# KiCad board RP2040_Fullsize.kicad_pcb (continued)
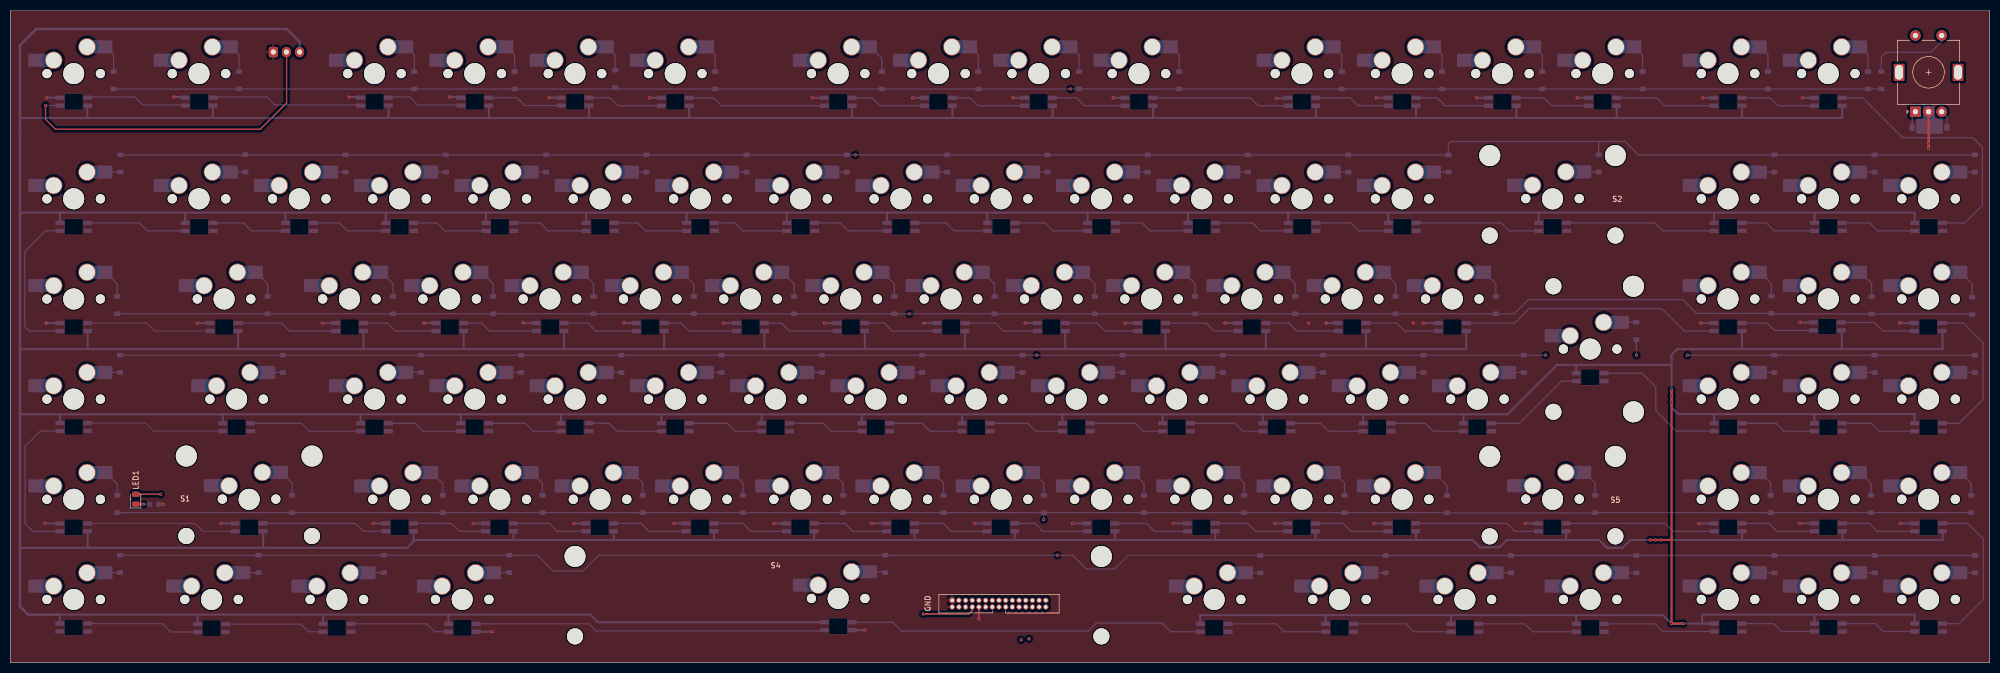
[diagram p0: board, top side]
## Nets
GND: C21.2 C22.2 J1.1 J1.2 J1.10 J2.1 R11.2 RGB1.3 RGB2.3 RGB3.3 RGB4.3 RGB5.3 RGB6.3 RGB7.3 RGB8.3 RGB9.3 RGB10.3 RGB11.3 RGB12.3 RGB13.3 RGB14.3 RGB15.3 RGB16.3 RGB17.3 RGB18.3 RGB19.3 RGB20.3 RGB21.3 RGB22.3 RGB23.3 RGB24.3 RGB25.3 RGB26.3 RGB27.3 RGB28.3 RGB29.3 RGB30.3 RGB31.3 RGB32.3 RGB33.3 RGB34.3 RGB35.3 RGB36.3 RGB37.3 RGB38.3 RGB39.3 RGB40.3 RGB41.3 RGB42.3 RGB43.3 RGB44.3 RGB45.3 RGB46.3 RGB47.3 RGB48.3 RGB49.3 RGB50.3 RGB51.3 RGB52.3 RGB53.3 RGB54.3 RGB55.3 RGB56.3 RGB57.3 RGB58.3 RGB59.3 RGB60.3 RGB61.3 RGB62.3 RGB63.3 RGB64.3 RGB65.3 RGB66.3 RGB67.3 RGB68.3 RGB69.3 RGB70.3 RGB71.3 RGB72.3 RGB73.3 RGB74.3 RGB75.3 RGB76.3 RGB77.3 RGB78.3 RGB79.3 RGB80.3 RGB81.3 RGB82.3 RGB83.3 RGB84.3 RGB85.3 RGB86.3 RGB87.3 RGB88.3 RGB89.3 RGB90.3 RGB91.3 RGB92.3 RGB93.3 RGB94.3 RGB95.3 RGB96.3 RGB97.3 RGB98.3 ROTARY1.C
VBUS: J2.3 RGB1.1 RGB2.1 RGB3.1 RGB4.1 RGB5.1 RGB6.1 RGB7.1 RGB8.1 RGB9.1 RGB10.1 RGB11.1 RGB12.1 RGB13.1 RGB14.1 RGB15.1 RGB16.1 RGB17.1 RGB18.1 RGB19.1 RGB20.1 RGB21.1 RGB22.1 RGB23.1 RGB24.1 RGB25.1 RGB26.1 RGB27.1 RGB28.1 RGB29.1 RGB30.1 RGB31.1 RGB32.1 RGB33.1 RGB34.1 RGB35.1 RGB36.1 RGB37.1 RGB38.1 RGB39.1 RGB40.1 RGB41.1 RGB42.1 RGB43.1 RGB44.1 RGB45.1 RGB46.1 RGB47.1 RGB48.1 RGB49.1 RGB50.1 RGB51.1 RGB52.1 RGB53.1 RGB54.1 RGB55.1 RGB56.1 RGB57.1 RGB58.1 RGB59.1 RGB60.1 RGB61.1 RGB62.1 RGB63.1 RGB64.1 RGB65.1 RGB66.1 RGB67.1 RGB68.1 RGB69.1 RGB70.1 RGB71.1 RGB72.1 RGB73.1 RGB74.1 RGB75.1 RGB76.1 RGB77.1 RGB78.1 RGB79.1 RGB80.1 RGB81.1 RGB82.1 RGB83.1 RGB84.1 RGB85.1 RGB86.1 RGB87.1 RGB88.1 RGB89.1 RGB90.1 RGB91.1 RGB92.1 RGB93.1 RGB94.1 RGB95.1 RGB96.1 RGB97.1 RGB98.1
Caps: J1.8 LED1.2
COL0: J1.3 MX1.1 MX17.1 MX35.1 MX52.1 MX70.1 MX87.1
COL1: J1.5 MX2.1 MX18.1 MX36.1 MX53.1 MX71.1 MX88.1
COL2: J1.7 MX19.1 MX37.1 MX54.1 MX72.1 MX89.1
COL3: J1.9 MX3.1 MX20.1 MX38.1 MX55.1 MX73.1 MX90.1
COL4: J1.11 MX4.1 MX21.1 MX39.1 MX56.1 MX74.1
COL5: J1.13 MX5.1 MX22.1 MX40.1 MX57.1 MX75.1
COL6: J1.15 MX6.1 MX23.1 MX41.1 MX58.1 MX76.1
COL7: J1.17 MX7.1 MX24.1 MX42.1 MX59.1 MX77.1 MX91.1
COL8: J1.19 MX8.1 MX25.1 MX43.1 MX60.1 MX78.1
COL9: J1.21 MX9.1 MX26.1 MX44.1 MX61.1 MX79.1
COL10: J1.23 MX10.1 MX27.1 MX45.1 MX62.1 MX80.1
COL11: J1.25 MX11.1 MX28.1 MX46.1 MX63.1 MX81.1 MX92.1
COL12: J1.27 MX12.1 MX29.1 MX47.1 MX64.1 MX82.1 MX93.1
COL13: J1.29 MX13.1 MX30.1 MX48.1 MX65.1 MX83.1 MX94.1
COL14: J1.30 MX14.1 MX31.1 MX66.1 MX95.1
COL15: J1.28 MX15.1 MX32.1 MX49.1 MX67.1 MX84.1 MX96.1
COL16: J1.26 MX16.1 MX33.1 MX50.1 MX68.1 MX85.1 MX97.1
COL17: J1.24 MX34.1 MX51.1 MX69.1 MX86.1 MX98.1 ROTARY1.S2
R_A: C21.1 J1.6 ROTARY1.A
R_B: C22.1 J1.4 ROTARY1.B
RGB_DATA: J2.2 RGB1.4
ROW0: D1.1 D2.1 D3.1 D4.1 D5.1 D6.1 D7.1 D8.1 D9.1 D10.1 D11.1 D12.1 D13.1 D14.1 D15.1 D16.1 D99.1 J1.22
ROW1: D17.1 D18.1 D19.1 D20.1 D21.1 D22.1 D23.1 D24.1 D25.1 D26.1 D27.1 D28.1 D29.1 D30.1 D31.1 D32.1 D33.1 D34.1 J1.20
ROW2: D35.1 D36.1 D37.1 D38.1 D39.1 D40.1 D41.1 D42.1 D43.1 D44.1 D45.1 D46.1 D47.1 D48.1 D49.1 D50.1 D51.1 J1.18
ROW3: D52.1 D53.1 D54.1 D55.1 D56.1 D57.1 D58.1 D59.1 D60.1 D61.1 D62.1 D63.1 D64.1 D65.1 D66.1 D67.1 D68.1 D69.1 J1.16
ROW4: D70.1 D71.1 D72.1 D73.1 D74.1 D75.1 D76.1 D77.1 D78.1 D79.1 D80.1 D81.1 D82.1 D83.1 D84.1 D85.1 D86.1 J1.14
ROW5: D87.1 D88.1 D89.1 D90.1 D91.1 D92.1 D93.1 D94.1 D95.1 D96.1 D97.1 D98.1 J1.12
Net-(D1-A): D1.2 MX1.2
Net-(D2-A): D2.2 MX2.2
Net-(D3-A): D3.2 MX3.2
Net-(D4-A): D4.2 MX4.2
Net-(D5-A): D5.2 MX5.2
Net-(D6-A): D6.2 MX6.2
Net-(D7-A): D7.2 MX7.2
Net-(D8-A): D8.2 MX8.2
Net-(D9-A): D9.2 MX9.2
Net-(D10-A): D10.2 MX10.2
Net-(D11-A): D11.2 MX11.2
Net-(D12-A): D12.2 MX12.2
Net-(D13-A): D13.2 MX13.2
Net-(D14-A): D14.2 MX14.2
Net-(D15-A): D15.2 MX15.2
Net-(D16-A): D16.2 MX16.2
Net-(D17-A): D17.2 MX17.2
Net-(D18-A): D18.2 MX18.2
Net-(D19-A): D19.2 MX19.2
Net-(D20-A): D20.2 MX20.2
Net-(D21-A): D21.2 MX21.2
Net-(D22-A): D22.2 MX22.2
Net-(D23-A): D23.2 MX23.2
Net-(D24-A): D24.2 MX24.2
Net-(D25-A): D25.2 MX25.2
Net-(D26-A): D26.2 MX26.2
Net-(D27-A): D27.2 MX27.2
Net-(D28-A): D28.2 MX28.2
Net-(D29-A): D29.2 MX29.2
Net-(D30-A): D30.2 MX30.2
Net-(D31-A): D31.2 MX31.2
Net-(D32-A): D32.2 MX32.2
Net-(D33-A): D33.2 MX33.2
Net-(D34-A): D34.2 MX34.2
Net-(D35-A): D35.2 MX35.2
Net-(D36-A): D36.2 MX36.2
Net-(D37-A): D37.2 MX37.2
Net-(D38-A): D38.2 MX38.2
Net-(D39-A): D39.2 MX39.2
Net-(D40-A): D40.2 MX40.2
Net-(D41-A): D41.2 MX41.2
Net-(D42-A): D42.2 MX42.2
Net-(D43-A): D43.2 MX43.2
Net-(D44-A): D44.2 MX44.2
Net-(D45-A): D45.2 MX45.2
Net-(D46-A): D46.2 MX46.2
Net-(D47-A): D47.2 MX47.2
Net-(D48-A): D48.2 MX48.2
Net-(D49-A): D49.2 MX49.2
Net-(D50-A): D50.2 MX50.2
Net-(D51-A): D51.2 MX51.2
Net-(D52-A): D52.2 MX52.2
Net-(D53-A): D53.2 MX53.2
Net-(D54-A): D54.2 MX54.2
Net-(D55-A): D55.2 MX55.2
Net-(D56-A): D56.2 MX56.2
Net-(D57-A): D57.2 MX57.2
Net-(D58-A): D58.2 MX58.2
Net-(D59-A): D59.2 MX59.2
Net-(D60-A): D60.2 MX60.2
Net-(D61-A): D61.2 MX61.2
Net-(D62-A): D62.2 MX62.2
Net-(D63-A): D63.2 MX63.2
Net-(D64-A): D64.2 MX64.2
Net-(D65-A): D65.2 MX65.2
Net-(D66-A): D66.2 MX66.2
Net-(D67-A): D67.2 MX67.2
Net-(D68-A): D68.2 MX68.2
Net-(D69-A): D69.2 MX69.2
Net-(D70-A): D70.2 MX70.2
Net-(D71-A): D71.2 MX71.2
Net-(D72-A): D72.2 MX72.2
Net-(D73-A): D73.2 MX73.2
Net-(D74-A): D74.2 MX74.2
Net-(D75-A): D75.2 MX75.2
Net-(D76-A): D76.2 MX76.2
Net-(D77-A): D77.2 MX77.2
Net-(D78-A): D78.2 MX78.2
Net-(D79-A): D79.2 MX79.2
Net-(D80-A): D80.2 MX80.2
Net-(D81-A): D81.2 MX81.2
Net-(D82-A): D82.2 MX82.2
Net-(D83-A): D83.2 MX83.2
Net-(D84-A): D84.2 MX84.2
Net-(D85-A): D85.2 MX85.2
Net-(D86-A): D86.2 MX86.2
Net-(D87-A): D87.2 MX87.2
Net-(D88-A): D88.2 MX88.2
Net-(D89-A): D89.2 MX89.2
Net-(D90-A): D90.2 MX90.2
Net-(D91-A): D91.2 MX91.2
Net-(D92-A): D92.2 MX92.2
Net-(D93-A): D93.2 MX93.2
Net-(D94-A): D94.2 MX94.2
Net-(D95-A): D95.2 MX95.2
Net-(D96-A): D96.2 MX96.2
Net-(D97-A): D97.2 MX97.2
Net-(D98-A): D98.2 MX98.2
Net-(D99-A): D99.2 ROTARY1.S1
Net-(LED1-K): LED1.1 R11.1
Net-(RGB1-DOUT): RGB1.2 RGB2.4
Net-(RGB2-DOUT): RGB2.2 RGB3.4
Net-(RGB3-DOUT): RGB3.2 RGB4.4
Net-(RGB4-DOUT): RGB4.2 RGB5.4
Net-(RGB5-DOUT): RGB5.2 RGB6.4
Net-(RGB6-DOUT): RGB6.2 RGB7.4
Net-(RGB7-DOUT): RGB7.2 RGB8.4
Net-(RGB8-DOUT): RGB8.2 RGB9.4
Net-(RGB10-DIN): RGB9.2 RGB10.4
Net-(RGB10-DOUT): RGB10.2 RGB11.4
Net-(RGB11-DOUT): RGB11.2 RGB12.4
Net-(RGB12-DOUT): RGB12.2 RGB13.4
Net-(RGB13-DOUT): RGB13.2 RGB14.4
Net-(RGB14-DOUT): RGB14.2 RGB15.4
Net-(RGB15-DOUT): RGB15.2 RGB16.4
Net-(RGB16-DOUT): RGB16.2 RGB34.4
Net-(RGB17-DIN): RGB17.4 RGB18.2
Net-(RGB17-DOUT): RGB17.2 RGB35.4
Net-(RGB18-DIN): RGB18.4 RGB19.2
Net-(RGB19-DIN): RGB19.4 RGB20.2
Net-(RGB20-DIN): RGB20.4 RGB21.2
Net-(RGB21-DIN): RGB21.4 RGB22.2
Net-(RGB22-DIN): RGB22.4 RGB23.2
Net-(RGB23-DIN): RGB23.4 RGB24.2
Net-(RGB24-DIN): RGB24.4 RGB25.2
Net-(RGB25-DIN): RGB25.4 RGB26.2
Net-(RGB26-DIN): RGB26.4 RGB27.2
Net-(RGB27-DIN): RGB27.4 RGB28.2
Net-(RGB28-DIN): RGB28.4 RGB29.2
Net-(RGB29-DIN): RGB29.4 RGB30.2
Net-(RGB30-DIN): RGB30.4 RGB31.2
Net-(RGB31-DIN): RGB31.4 RGB32.2
Net-(RGB32-DIN): RGB32.4 RGB33.2
Net-(RGB33-DIN): RGB33.4 RGB34.2
Net-(RGB35-DOUT): RGB35.2 RGB36.4
Net-(RGB36-DOUT): RGB36.2 RGB37.4
Net-(RGB37-DOUT): RGB37.2 RGB38.4
Net-(RGB38-DOUT): RGB38.2 RGB39.4
Net-(RGB39-DOUT): RGB39.2 RGB40.4
Net-(RGB40-DOUT): RGB40.2 RGB41.4
Net-(RGB41-DOUT): RGB41.2 RGB42.4
Net-(RGB42-DOUT): RGB42.2 RGB43.4
Net-(RGB43-DOUT): RGB43.2 RGB44.4
Net-(RGB44-DOUT): RGB44.2 RGB45.4
Net-(RGB45-DOUT): RGB45.2 RGB46.4
Net-(RGB46-DOUT): RGB46.2 RGB47.4
Net-(RGB47-DOUT): RGB47.2 RGB48.4
Net-(RGB48-DOUT): RGB48.2 RGB49.4
Net-(RGB49-DOUT): RGB49.2 RGB50.4
Net-(RGB50-DOUT): RGB50.2 RGB51.4
Net-(RGB51-DOUT): RGB51.2 RGB69.4
Net-(RGB52-DIN): RGB52.4 RGB53.2
Net-(RGB52-DOUT): RGB52.2 RGB70.4
Net-(RGB53-DIN): RGB53.4 RGB54.2
Net-(RGB54-DIN): RGB54.4 RGB55.2
Net-(RGB55-DIN): RGB55.4 RGB56.2
Net-(RGB56-DIN): RGB56.4 RGB57.2
Net-(RGB57-DIN): RGB57.4 RGB58.2
Net-(RGB58-DIN): RGB58.4 RGB59.2
Net-(RGB59-DIN): RGB59.4 RGB60.2
Net-(RGB60-DIN): RGB60.4 RGB61.2
Net-(RGB61-DIN): RGB61.4 RGB62.2
Net-(RGB62-DIN): RGB62.4 RGB63.2
Net-(RGB63-DIN): RGB63.4 RGB64.2
Net-(RGB64-DIN): RGB64.4 RGB65.2
Net-(RGB65-DIN): RGB65.4 RGB66.2
Net-(RGB66-DIN): RGB66.4 RGB67.2
Net-(RGB67-DIN): RGB67.4 RGB68.2
Net-(RGB68-DIN): RGB68.4 RGB69.2
Net-(RGB70-DOUT): RGB70.2 RGB71.4
Net-(RGB71-DOUT): RGB71.2 RGB72.4
Net-(RGB72-DOUT): RGB72.2 RGB73.4
Net-(RGB73-DOUT): RGB73.2 RGB74.4
Net-(RGB74-DOUT): RGB74.2 RGB75.4
Net-(RGB75-DOUT): RGB75.2 RGB76.4
Net-(RGB76-DOUT): RGB76.2 RGB77.4
Net-(RGB77-DOUT): RGB77.2 RGB78.4
Net-(RGB78-DOUT): RGB78.2 RGB79.4
Net-(RGB79-DOUT): RGB79.2 RGB80.4
Net-(RGB80-DOUT): RGB80.2 RGB81.4
Net-(RGB81-DOUT): RGB81.2 RGB82.4
Net-(RGB82-DOUT): RGB82.2 RGB83.4
Net-(RGB83-DOUT): RGB83.2 RGB84.4
Net-(RGB84-DOUT): RGB84.2 RGB85.4
Net-(RGB85-DOUT): RGB85.2 RGB86.4
Net-(RGB86-DOUT): RGB86.2 RGB98.4
Net-(RGB87-DIN): RGB87.4 RGB88.2
Net-(RGB88-DIN): RGB88.4 RGB89.2
Net-(RGB89-DIN): RGB89.4 RGB90.2
Net-(RGB90-DIN): RGB90.4 RGB91.2
Net-(RGB91-DIN): RGB91.4 RGB92.2
Net-(RGB92-DIN): RGB92.4 RGB93.2
Net-(RGB93-DIN): RGB93.4 RGB94.2
Net-(RGB94-DIN): RGB94.4 RGB95.2
Net-(RGB95-DIN): RGB95.4 RGB96.2
Net-(RGB96-DIN): RGB96.4 RGB97.2
Net-(RGB97-DIN): RGB97.4 RGB98.2

Pads without a net: RGB87 2

## Via types
v1: diameter 0.6, hole 0.3, Top to Bottom, 81 vias

## Routing (per net, layer and track width the routed paths; a pad name or vN(x,y) marks a point on that pad's centre or on a via; arc(x,y) is an arc through that point)
GND: length 143.1
  Top w0.25: 184,10.55 v1(184,8.3) 184,8.3
  Top w0.4: ROTARY1.C v1(364.43,97.8)
  Bottom w0.25: ROTARY1.C 364.43,101.83 364.4,101.8 ; R11.2 v1(29.07,30.08) ; C21.2 364.4,101.8 ; 364.4,101.8 C22.2
  Bottom w0.4: v1(97.4,64.6) 97.45,64.55 RGB39.3 ; 33.25,107.55 v1(31.02,107.55) ; 66.56,107.55 v1(64.33,107.55) ; v1(339.93,64.68) 339.94,64.66 RGB50.3 ; RGB42.3 v1(154.65,64.55) ; RGB82.3 v1(259.05,26.45) ; RGB40.3 116.55,64.55 v1(116.5,64.6) ; RGB47.3 v1(249.95,64.55) ; RGB35.3 v1(6.75,64.55) ; RGB76.3 v1(145.02,26.45) ; RGB70.3 6.48,26.44 v1(6.45,26.48) ; RGB44.3 v1(192.75,64.55) ; RGB72.3 v1(68.9,26.45) ; RGB8.3 v1(171.4,107.4) ; RGB46.3 v1(230.72,64.55) ; 85.62,107.55 v1(83.38,107.55) ; RGB75.3 v1(126.08,26.45) ; RGB38.3 v1(78.55,64.55) ; RGB7.3 v1(152.35,107.4) ; v1(6.82,107.4) 6.85,107.43 RGB1.3 ; RGB37.3 v1(59.25,64.55) 59.2,64.6 ; RGB77.3 v1(163.52,26.45) ; RGB79.3 v1(201.77,26.45) ; 104.56,107.43 v1(102.33,107.43) ; RGB43.3 v1(173.52,64.55) ; RGB45.3 v1(211.8,64.55) ; RGB80.3 v1(220.92,26.45) ; RGB71.3 v1(39.97,26.45) ; RGB78.3 v1(183.15,26.45) ; RGB91.3 v1(162.3,6.15) ; RGB9.3 v1(190.45,107.4) ; v1(358.95,64.58) 358.97,64.56 RGB51.3 ; RGB84.3 v1(320.77,26.45) ; 342.68,107.4 v1(340.45,107.4) ; 123.63,107.4 v1(121.4,107.4) ; RGB74.3 v1(107.02,26.45) ; RGB49.3 v1(321.18,64.55) ; RGB83.3 v1(287.77,26.45) ; 242.73,107.3 v1(240.5,107.3) ; RGB86.3 v1(359.07,26.45) ; RGB81.3 v1(240.25,26.45) ; RGB41.3 v1(135.47,64.55) ; 280.78,107.4 v1(278.55,107.4) ; 261.72,107.4 v1(259.48,107.4) ; 323.73,107.4 v1(321.5,107.4) ; RGB48.3 v1(268.43,64.55) ; RGB36.3 v1(35.5,64.55) ; RGB85.3 v1(339.88,26.45) ; RGB10.3 v1(209.5,107.4) ; 299.88,107.4 v1(297.65,107.4) ; RGB73.3 v1(87.9,26.45) ; RGB90.3 v1(91.55,5.85)
  vias: v1(246.65,64.55) v1(266.52,64.55) v1(364.43,98.63)
VBUS: length 2502.7
  Top w0.4: 315.6,23.3 v1(313.55,23.3) v1(312.52,23.3) v1(311.5,23.3) ; v1(315.6,51.8) v1(315.6,7.4) 317.7,7.4
  Bottom w0.4: 342.7,9.1 361.8,9.1 RGB98.1 ; 342.7,9.1 342.75,9.05 RGB97.1 ; 342.7,9.1 321.4,9.1 321.4,7.4 RGB96.1 v1(315.6,7.4) ; 14.84,103.55 1.82,103.55 1.8,103.53 ; 14.84,103.55 14.61,103.55 14.59,103.57 14.59,106.05 ; 14.84,103.55 71.84,103.55 ; RGB22.1 109.39,85.55 109.4,85.56 ; 90.35,85.56 90.34,85.55 RGB21.1 ; 90.35,85.56 109.4,85.56 ; 90.35,85.56 71.3,85.56 ; 35.55,9.1 35.54,9.09 RGB88.1 ; 35.55,9.1 9.32,9.1 9.35,9.08 RGB87.1 ; 35.55,9.1 59.38,9.1 ; 276.1,47.2 276.05,47.15 RGB65.1 ; 276.1,47.2 256.7,47.2 ; 276.1,47.2 284.4,47.2 293.8,56.6 298.6,56.6 ; 10.1,85.56 33.2,85.56 ; 10.1,85.56 1.86,85.56 1.8,85.5 ; 10.1,85.56 9.46,85.56 9.38,85.48 RGB17.1 ; 33.2,85.56 33.19,85.55 RGB18.1 ; 33.2,85.56 52.25,85.56 ; 181.4,59.6 200.4,59.6 ; 181.4,59.6 181.34,59.66 181.34,63.03 ; 181.4,59.6 162.3,59.6 ; 200.4,59.6 219.4,59.6 ; 200.4,59.6 200.39,59.61 200.39,63.03 ; RGB62.1 218.9,47.2 ; 218.9,47.2 238,47.2 ; 218.9,47.2 199.8,47.2 ; 348,105.88 348,103.6 ; 71.84,103.55 71.83,103.57 RGB3.1 ; 71.84,103.55 90.89,103.55 ; 40.3,47.2 66.5,47.2 ; 40.3,47.2 40.32,47.18 RGB53.1 ; 40.3,47.2 9.35,47.2 ; 66.5,47.2 85.5,47.2 ; 66.5,47.2 RGB54.1 ; 257.5,59.6 257.54,59.64 257.54,63.03 ; 257.5,59.6 276.6,59.6 276.59,59.61 276.59,63.03 ; 257.5,59.6 238.5,59.6 ; 290.35,85.56 290.36,85.55 RGB31.1 ; 290.35,85.56 261.75,85.56 ; 290.35,85.56 323.7,85.56 ; v1(315.6,7.4) 314,9 297.5,9 ; v1(315.6,7.4) v1(317.8,7.4) ; RGB78.1 190.8,23.55 ; 267.07,103.55 267.06,103.56 RGB12.1 ; 267.07,103.55 286.1,103.55 ; 267.07,103.55 248.07,103.55 ; 67.05,59.6 86.1,59.6 ; 67.05,59.6 43.25,59.6 ; 67.05,59.6 67.08,59.63 RGB37.1 ; 86.1,59.6 86.09,59.61 86.09,63.03 ; 86.1,59.6 105.2,59.6 ; 147.5,85.56 147.49,85.55 RGB24.1 ; 147.5,85.56 128.45,85.56 ; 147.5,85.56 166.55,85.56 ; 228.9,23.3 171.8,23.3 ; 228.9,23.3 248,23.3 ; 228.9,23.3 RGB80.1 ; 171.8,23.3 171.75,23.35 RGB77.1 ; 171.8,23.3 152.7,23.3 ; RGB93.1 249.86,8.96 249.9,9 ; 48,21.8 RGB71.1 ; 347.9,59.6 347.94,59.64 347.94,63.03 ; 347.9,59.6 329,59.6 ; 347.9,59.6 367.1,59.6 367.07,59.63 367.07,63.05 ; RGB83.1 295.58,23.32 295.6,23.3 ; RGB91.1 111.62,7.65 110.17,9.1 83.2,9.1 ; 85.5,47.2 104.6,47.2 ; 85.5,47.2 85.55,47.15 RGB55.1 ; RGB67.1 323.7,47.25 ; 323.7,47.25 316.85,47.25 315.6,48.5 v1(315.6,49.4) v1(315.6,50.8) v1(315.6,51.8) 315.6,56.6 ; 323.7,47.25 342.15,47.25 ; 1.8,21.9 1.9,21.8 14.7,21.8 ; 248,23.3 247.95,23.35 RGB81.1 ; 248,23.3 267,23.3 ; RGB6.1 128.95,103.56 128.94,103.55 ; 328.97,103.55 305.15,103.55 ; 328.97,103.55 RGB15.1 ; 328.97,103.55 348,103.55 ; 305.15,103.55 286.1,103.55 ; 305.15,103.55 305.16,103.56 RGB14.1 ; 267,23.3 277.8,23.3 279.2,21.9 282.9,21.9 284.3,23.3 301.8,23.3 303.3,21.8 306.3,21.8 307.8,23.3 v1(313.55,23.3) 367.1,23.3 RGB86.1 ; 267,23.3 267,23.3 RGB82.1 ; 90.89,103.55 109.94,103.55 ; 90.89,103.55 90.88,103.57 RGB4.1 ; 248.07,103.55 248.01,103.61 RGB11.1 ; 248.07,103.55 217.09,103.55 ; 329,24.95 329,23.3 ; 9.35,47.2 9.38,47.18 RGB52.1 ; 9.35,47.2 1.85,47.2 1.8,47.15 ; 104.6,47.2 123.6,47.2 ; 104.6,47.2 RGB56.1 ; 124.2,59.6 143.2,59.6 ; 124.2,59.6 124.19,59.61 124.19,63.03 ; 124.2,59.6 105.2,59.6 ; 143.2,59.6 162.3,59.6 ; 143.2,59.6 143.24,59.64 143.24,63.03 ; RGB92.1 226.05,8.95 226.1,9 249.9,9 ; 14.7,21.8 75.35,21.8 76.62,23.08 76.6,23.1 RGB72.1 ; 14.7,21.8 14.65,21.85 RGB70.1 ; 238,47.2 256.7,47.2 ; 238,47.2 237.95,47.15 RGB63.1 ; 256.7,47.2 257,47.2 RGB64.1 ; 298.6,56.6 297.5,56.6 297.48,56.58 RGB66.1 ; 298.6,56.6 315.6,56.6 ; 109.94,103.55 128.94,103.55 ; 109.94,103.55 109.92,103.57 RGB5.1 ; RGB20.1 71.29,85.55 71.3,85.56 ; 242.75,85.56 242.74,85.55 RGB29.1 ; 242.75,85.56 223.7,85.56 ; 242.75,85.56 261.75,85.56 ; 329,59.6 316.7,59.6 316.69,59.61 315.6,58.53 315.6,56.6 ; 329,59.6 328.97,59.63 RGB49.1 ; 43.25,59.6 1.85,59.6 1.8,59.65 ; 43.25,59.6 RGB36.1 ; 197.98,103.55 178.98,103.55 ; 197.98,103.55 217.09,103.55 ; 197.98,103.55 198.01,103.58 RGB9.1 ; 178.98,103.55 159.93,103.55 ; 178.98,103.55 178.96,103.57 RGB8.1 ; 52.25,85.56 71.3,85.56 ; 52.25,85.56 52.24,85.55 RGB19.1 ; 123.6,47.2 142.7,47.2 ; 123.6,47.2 123.65,47.15 RGB57.1 ; RGB95.1 297.49,8.99 297.5,9 ; 219.4,59.6 238.5,59.6 ; 219.4,59.6 219.44,59.64 219.44,63.03 ; 38.44,105.86 38.44,103.55 ; 238.5,59.6 238.49,59.61 238.49,63.03 ; RGB79.1 209.85,23.3 ; 95.6,23.3 95.55,23.35 RGB73.1 ; 95.6,23.3 114.6,23.3 ; 95.6,23.3 76.85,23.3 ; RGB68.1 342.72,47.23 342.7,47.25 342.15,47.25 ; RGB69.1 361.77,47.25 342.15,47.25 ; 286.1,103.55 286.11,103.56 RGB13.1 ; 159.93,103.55 159.91,103.57 RGB7.1 ; 159.93,103.55 128.94,103.55 ; 273.7,9 273.68,8.98 RGB94.1 ; 273.7,9 297.5,9 ; 273.7,9 249.9,9 ; 152.7,23.3 133.7,23.3 ; 152.7,23.3 152.7,23.3 RGB76.1 ; 133.7,23.3 114.6,23.3 ; 133.7,23.3 133.65,23.35 RGB75.1 ; RGB61.1 199.85,47.15 199.8,47.2 ; 261.75,85.56 261.79,85.52 RGB30.1 ; 105.2,59.6 105.14,59.66 105.14,63.03 ; 166.55,85.56 185.6,85.56 ; 166.55,85.56 166.54,85.55 RGB25.1 ; 185.6,85.56 185.59,85.55 RGB26.1 ; 185.6,85.56 204.65,85.56 ; 161.8,47.2 161.75,47.15 RGB59.1 ; 161.8,47.2 180.8,47.2 ; 161.8,47.2 142.7,47.2 ; RGB28.1 223.69,85.55 223.7,85.56 ; 114.6,23.3 114.6,23.3 RGB74.1 ; RGB34.1 361.8,85.56 342.75,85.56 ; 142.7,47.2 RGB58.1 ; RGB33.1 342.75,85.56 ; 342.75,85.56 323.7,85.56 ; 199.8,47.2 180.8,47.2 ; 162.3,59.6 162.31,59.61 RGB42.1 ; 223.7,85.56 204.65,85.56 ; 109.4,85.56 128.45,85.56 ; 128.45,85.56 128.44,85.55 RGB23.1 ; 204.65,85.56 204.64,85.55 RGB27.1 ; 59.38,9.1 83.2,9.1 ; 59.38,9.1 RGB89.1 ; 83.2,9.1 RGB90.1 ; RGB85.1 348.05,23.3 ; 217.09,103.55 217.09,105.87 ; 323.7,85.56 RGB32.1 ; 180.8,47.2 RGB60.1 ; 14.65,63.03 14.65,59.65
  Bottom w0.5: J2.3 54.92,118.05 52.5,120.48 4.88,120.48 1.8,117.4 1.8,10.65 3.35,9.1 9.32,9.1
Caps: length 169.3
  Top w0.25: v1(173.42,9.23) 182.1,9.23 182.73,9.85 182.73,10.55 ; v1(28.53,32) LED1.2
  In1.Cu w0.25: v1(173.42,9.23) 107.42,9.23 96.88,19.78 89.03,19.78 80.55,28.25 35.65,28.25 31.9,32 v1(28.53,32)
COL0: length 312.1
  In2.Cu w0.25: 2.95,71.65 2.95,52.55 ; 2.95,71.65 2.95,90.65 ; 2.95,71.65 2.98,71.68 MX35.1 ; 2.95,52.55 3.03,52.63 MX52.1 ; 2.95,52.55 2.95,33.6 ; 2.95,33.6 2.97,33.58 MX70.1 ; 2.95,33.6 2.95,19.77 MX87.1 20.87,14.53 34.1,1.3 164.4,1.3 177,13.9 179.8,13.9 180.19,13.51 180.19,11.82 ; 2.95,90.65 3.03,90.73 MX17.1 ; 2.95,90.65 2.95,113 4.49,114.54 MX1.1
COL1: length 279.6
  In2.Cu w0.25: 181.46,11.82 181.46,14.44 181.2,14.7 177,14.7 164.1,1.8 57.8,1.8 45.07,14.53 MX88.1 34.38,18.9 36.31,20.82 36.31,24.93 41.52,30.14 41.52,36.38 36.9,41 36.9,47 39.15,49.25 MX53.1 34.2,57.57 34.2,66.07 36.77,68.64 MX36.1 33.42,71.68 29.4,75.7 29.4,84.8 32,87.4 MX18.1 32,94 28.5,97.5 28.5,113.2 29.84,114.54 MX2.1
COL2: length 239.5
  In2.Cu w0.25: 62.97,33.58 62.97,47 65.34,49.37 MX54.1 56.95,61.02 56.95,65.01 60.58,68.64 MX37.1 60.58,75.88 61.7,77 61.7,89 59.97,90.73 MX19.1 ; 62.97,33.58 62.97,24.07 58.2,19.3 MX89.1 67.47,14.53 79.7,2.3 163.8,2.3 176.7,15.2 182.4,15.2 182.73,14.87 182.73,11.82 ; 62.97,33.58 MX72.1
COL3: length 251.9
  In2.Cu w0.25: 184,11.82 184,15.3 183.4,15.9 176.7,15.9 163.7,2.9 104.2,2.9 92.57,14.53 MX90.1 82.01,19.39 82,19.4 82,23.39 89.15,30.54 MX73.1 82.9,39.83 82.9,47.8 84.39,49.29 MX55.1 79.17,52.63 76.73,55.08 76.73,65.33 79.63,68.23 MX38.1 79.63,74.33 81.2,75.9 81.2,89 79.47,90.73 MX20.1 70.1,94.2 75.6,99.7 75.6,113 74.06,114.54 MX3.1
COL4: length 223.5
  In2.Cu w0.25: 185.27,11.82 185.27,15.53 184.2,16.6 176.5,16.6 163.5,3.6 130.1,3.6 118.9,14.8 118.9,32.1 117.42,33.58 MX74.1 101.9,39.88 101.9,47.6 103.44,49.14 MX56.1 99.27,52.63 95.8,56.1 95.8,65.5 98.68,68.38 MX39.1 100.4,73.4 100.4,89.3 98.97,90.73 MX21.1 89.15,95.85 95,101.7 95,113.2 93.66,114.54 MX4.1
COL5: length 215.5
  In2.Cu w0.25: MX5.1 113.96,114.54 114.9,113.6 114.9,102.8 108.2,96.1 MX22.1 118.57,90.73 120.1,89.2 120.1,79 117.73,76.63 MX40.1 127.42,71.68 129.1,70 129.1,59.24 MX57.1 122.49,49.59 120.8,47.9 120.8,40.03 MX75.1 136.42,33.58 138.1,31.9 138.1,13 146.9,4.2 163.3,4.2 176.2,17.1 185.2,17.1 186.54,15.76 186.54,11.82
COL6: length 195
  In2.Cu w0.25: MX6.1 131.66,114.54 133,113.2 133,101.1 127.25,95.35 MX23.1 127.25,87.69 125.5,85.94 125.5,78.7 132.52,71.68 MX41.1 147.12,71.68 148.9,69.9 148.9,59.99 MX58.1 141.54,49.14 139.9,47.5 139.9,39.98 MX76.1 146.3,30.54 143,27.24 143,12.6 146.3,9.3 167.6,9.3 175.9,17.6 185.9,17.6 187.81,15.69 187.81,11.82
COL7: length 177.7
  In2.Cu w0.25: 153.4,14.74 158.35,19.7 158.35,47.08 160.59,49.32 MX59.1 167,59.04 167,70.5 165.82,71.68 MX42.1 155.83,77.63 157.8,79.6 157.8,88.4 155.47,90.73 MX24.1 146.3,111.1 149.74,114.54 MX7.1 ; 189.08,11.82 189.08,15.72 180.3,24.5 180.3,30.7 177.42,33.58 MX77.1 158.35,33.58
COL8: length 146.7
  In2.Cu w0.25: 190.35,11.82 190.35,15.85 194.9,20.4 194.9,32.1 193.42,33.58 MX78.1 177.5,40.48 177.5,47.2 179.64,49.34 MX60.1 186.5,59.49 186.5,69.3 184.12,71.68 MX43.1 174.88,78.98 176.8,80.9 176.8,88.6 174.67,90.73 MX25.1 165.35,110.35 169.54,114.54 MX8.1
COL9: length 140.8
  In2.Cu w0.25: 197.92,33.58 MX79.1 ; 197.92,33.58 196.46,35.04 196.46,40.57 196.4,40.63 196.4,47.3 196.5,47.4 198.69,49.59 MX61.1 204.7,58.64 204.7,70.2 203.22,71.68 MX44.1 193.93,79.23 195.6,80.9 195.6,88.6 193.47,90.73 MX26.1 184.4,111.5 187.44,114.54 MX9.1 ; 197.92,33.58 197.9,33.56 197.9,22.1 191.62,15.82 191.62,11.82
COL10: length 156.3
  In2.Cu w0.25: 217.3,33.58 217.3,22.9 210.8,16.4 194.8,16.4 192.89,14.49 192.89,11.82 ; 217.3,33.58 MX80.1 ; 217.3,33.58 217.3,33.6 216.2,34.7 216.2,47 217.74,48.54 MX62.1 223.6,58.49 223.6,70.4 222.32,71.68 MX45.1 212.98,77.28 214.8,79.1 214.8,88.25 212.32,90.73 MX27.1 203.45,110.55 207.44,114.54 MX10.1
COL11: length 168.1
  In2.Cu w0.25: MX11.1 239.04,114.54 233.2,108.7 233.2,89 ; 233.2,89 231.47,90.73 MX28.1 ; 233.2,89 233.2,80.6 232.03,79.43 MX46.1 232.03,68.1 228.9,64.98 228.9,60.52 MX63.1 236.79,48.89 235.2,47.3 235.2,24 233.2,22 229.4,22 224.88,17.48 MX92.1 194.53,14.53 194.16,14.16 194.16,11.82 ; 235.22,33.58 MX81.1
COL12: length 206.2
  In2.Cu w0.25: 253,89.1 251.37,90.73 MX29.1 ; 253,89.1 253,81 251.08,79.08 MX47.1 259.82,71.68 261.8,69.7 261.8,58.59 MX64.1 255.84,48.94 253.3,46.4 253.3,35.8 255.52,33.58 ; 253,89.1 253,110.8 256.74,114.54 MX12.1 ; 255.52,33.58 MX82.1 ; 255.52,33.58 255.5,33.56 255.5,25.4 248.7,18.6 MX93.1 248.7,11 241.2,3.5 213.6,3.5 203.4,13.7 195.6,13.7 195.43,13.53 195.43,11.82
COL13: length 240.3
  In2.Cu w0.25: 273.5,89.1 273.5,81 270.13,77.63 MX48.1 281.52,71.68 282.2,71 282.2,59.94 MX65.1 274.89,49.59 272.51,47.21 MX94.1 272.51,11.01 264.4,2.9 202.06,2.9 198.13,6.83 198.13,11.42 197.74,11.82 196.7,11.82 ; 273.5,89.1 273.5,110.72 277.32,114.54 MX13.1 ; 273.5,89.1 271.87,90.73 MX30.1 ; MX83.1 272.53,33.62
COL14: length 244
  In2.Cu w0.25: 196.7,10.55 196.7,6.88 201.17,2.4 288.9,2.4 296.32,9.82 MX95.1 296.32,19.48 301.08,24.24 301.08,45.08 307.3,51.3 307.3,60.9 306.05,62.15 MX66.1 300.5,66.33 300.5,89.5 299.23,90.77 MX31.1 289.17,101.39 298.7,110.92 MX14.1
COL15: length 255.2
  In2.Cu w0.25: 319.3,71.7 319.3,52.5 ; 319.3,71.7 319.32,71.68 MX49.1 ; 319.3,71.7 319.3,90.7 ; 319.3,52.5 319.43,52.63 MX67.1 ; 319.3,52.5 319.3,33.6 ; 319.3,90.7 319.33,90.73 MX32.1 ; 319.3,90.7 319.3,113.9 319.94,114.54 MX15.1 ; 195.43,10.55 195.43,6.76 200.28,1.9 302,1.9 314.63,14.53 MX96.1 319.3,17.74 319.3,33.6 ; 319.3,33.6 319.32,33.58 MX84.1
COL16: length 280.8
  In2.Cu w0.25: 338.3,90.7 338.33,90.73 MX33.1 ; 338.3,90.7 338.3,71.7 ; 338.3,90.7 338.3,113.9 338.94,114.54 MX16.1 ; 338.3,33.6 338.3,17.79 MX97.1 341.56,6.67 336.3,1.4 199.59,1.4 194.16,6.84 194.16,10.55 ; 338.3,33.6 338.3,52.6 ; 338.3,33.6 338.32,33.58 MX85.1 ; 338.3,52.6 338.33,52.63 MX68.1 ; 338.3,52.6 338.3,71.7 ; MX50.1 338.32,71.68 338.3,71.7
COL17: length 311.7
  In2.Cu w0.25: MX34.1 356.57,90.73 356.5,90.8 ; MX69.1 356.53,52.63 356.5,52.6 ; MX86.1 356.52,33.58 356.5,33.6 ; 356.5,71.7 356.52,71.68 MX51.1 ; 356.5,71.7 356.5,52.6 ; 356.5,71.7 356.5,90.8 ; 356.5,52.6 356.5,33.6 ; 356.5,90.8 356.5,118.3 357.45,119.25 ROTARY1.S2 ; 356.5,33.6 356.5,18.64 MX98.1 360.62,7.02 354.5,0.9 198.9,0.9 192.89,6.92 192.89,10.55
R_A: length 296.9
  In1.Cu w0.25: ROTARY1.A 361.93,103.1 363.15,101.87 365.53,101.87 371.1,96.3 371.1,23.8 368.3,21 217.8,21 211.5,14.7 211.5,5.5 209,3 195,3 v1(193.5,4.5)
  In2.Cu w0.25: v1(193.5,4.5) 191.16,6.84 182.3,6.84 181.46,7.69 181.46,10.55
  Bottom w0.25: C21.1 361.3,104.13
R_B: length 297.7
  In1.Cu w0.25: v1(192,4.3) 194.2,2.1 209.1,2.1 212.5,5.5 212.5,14.1 218.3,19.9 368.3,19.9 371.6,23.2 371.6,101.12 367.97,104.75 ROTARY1.B
  In2.Cu w0.25: v1(192,4.3) 190.1,6.2 181.8,6.2 180.19,7.81 180.19,10.55
  Bottom w0.25: ROTARY1.B 367.9,103.78 C22.1
RGB_DATA: length 63.7
  Top w0.25: J2.2 52.45,116.08 52.45,106.43 47.45,101.43 8.52,101.43 6.65,103.3 v1(6.65,105.93)
  Bottom w0.25: RGB1.4 v1(6.65,105.93)
ROW0: length 460.2
  In1.Cu w0.25: v1(201.4,109.08) 201.4,95.28 198.88,92.75 198.88,82.1 207.52,73.45 207.52,54.15 210.07,51.6 210.07,41.68 214,37.75 214,21.9 200.29,8.19 192.55,8.19 191.62,9.12 191.62,10.55
  Bottom w0.25: D1.1 v1(201.4,109.08) D10.1 D11.1 D16.1 D99.1
ROW1: length 482.3
  In1.Cu w0.25: 190.35,10.55 190.35,3.65 188.1,1.4 178,1.4 174.7,4.7 174.7,27.5 172.6,29.6 172.6,32.2 174.5,34.1 174.5,48 169.8,52.7 169.8,73.68 160.5,82.98 v1(160.5,96.53)
  Bottom w0.25: 301.75,99.1 306.75,99.1 309.3,96.55 D34.1 ; 301.75,99.1 273.75,99.1 273.2,98.55 D30.1 D28.1 D17.1 ; 301.75,99.1 301.76,99.09 D31.1
ROW2: length 439.6
  In1.Cu w0.25: v1(170.8,66.3) 170.8,54.3 175.6,49.5 175.6,4.9 178.2,2.3 187.3,2.3 189.08,4.08 189.08,10.55
  Bottom w0.25: 20.28,66.33 285.7,66.33 288.4,69.02 317.71,69.02 320.34,66.4 D49.1 ; 334.65,66.3 D50.1 372.59,66.3
ROW3: length 443.5
  In1.Cu w0.25: 187.81,10.55 187.81,4.41 186.8,3.4 178.8,3.4 176.1,6.1 176.1,16.3 179.1,19.3 191.6,19.3 194.97,22.68 v1(194.97,58.45) ; v1(318.6,58.45) v1(308.93,58.45) 307.41,56.93 293.18,56.93 v1(291.65,58.46)
  Bottom w0.25: D52.1 D61.1 D65.1 291.65,58.45 v1(291.65,58.46) ; v1(318.6,58.45) D68.1 D69.1 ; v1(308.93,58.45) 308.9,58.48 D66.1
ROW4: length 407.3
  In1.Cu w0.25: 186.54,10.55 186.54,4.64 186.2,4.3 178.7,4.3 176.6,6.4 176.6,16 179.2,18.6 192.9,18.6 196.3,22 v1(196.3,27.18)
  Bottom w0.2: v1(196.3,27.18) 196.3,28.49
  Bottom w0.25: D82.1 301.04,28.45 ; 272.85,28.5 D81.1 D80.1 D79.1 D78.1 D77.1 D76.1 D75.1 D74.1 D73.1 D72.1 D71.1 D70.1 ; D83.1 D84.1 D86.1
ROW5: length 402.8
  In1.Cu w0.25: 185.27,10.55 185.27,5.77 185,5.5 178.6,5.5 177.2,6.9 177.2,15.3 180,18.1 196.6,18.1 v1(198.9,20.4)
  Bottom w0.2: 209.75,17.8 212.3,20.35 D92.1 D93.1
  Bottom w0.25: 209.75,17.8 204.4,17.8 201.8,20.4 D91.1 111.8,20.4 108.8,17.4 103.1,17.4 100.1,20.4 D90.1 D87.1 ; D93.1 D95.1 D96.1 D98.1
Net-(D1-A): length 5.3
  Bottom w0.25: D1.2 19.57,115.6 MX1.2
Net-(D2-A): length 5.3
  Bottom w0.25: MX2.2 43.39,115.6 D2.2
Net-(D3-A): length 5.3
  Bottom w0.25: D3.2 76.73,115.6 MX3.2
Net-(D4-A): length 5.3
  Bottom w0.25: D4.2 95.78,115.6 MX4.2
Net-(D5-A): length 5.1
  Bottom w0.25: D5.2 114.88,115.55 MX5.2
Net-(D6-A): length 5.3
  Bottom w0.25: D6.2 133.88,115.6 MX6.2
Net-(D7-A): length 5.6
  Bottom w0.25: MX7.2 165.54,114.89 D7.2
Net-(D8-A): length 5.3
  Bottom w0.25: D8.2 183.88,115.6 MX8.2
Net-(D9-A): length 5.3
  Bottom w0.25: D9.2 203,115.53 MX9.2
Net-(D10-A): length 5.3
  Bottom w0.25: MX10.2 222.05,115.53 D10.2
Net-(D11-A): length 5.3
  Bottom w0.25: D11.2 252.94,115.6 MX11.2
Net-(D12-A): length 5.3
  Bottom w0.25: MX12.2 271.99,115.6 D12.2
Net-(D13-A): length 5.3
  Bottom w0.25: D13.2 291.04,115.6 MX13.2
Net-(D14-A): length 5.3
  Bottom w0.25: D14.2 310.09,115.6 MX14.2
Net-(D15-A): length 5.3
  Bottom w0.25: MX15.2 333.9,115.6 D15.2
Net-(D16-A): length 5.3
  Bottom w0.25: D16.2 352.95,115.6 MX16.2
Net-(D17-A): length 2.7
  Bottom w0.25: MX17.2 20.83,93.27
Net-(D18-A): length 2.7
  Bottom w0.25: MX18.2 44.57,93.27
Net-(D19-A): length 2.7
  Bottom w0.25: MX19.2 63.63,93.27
Net-(D20-A): length 2.7
  Bottom w0.25: MX20.2 82.68,93.27
Net-(D21-A): length 2.7
  Bottom w0.25: MX21.2 101.73,93.27
Net-(D22-A): length 2.7
  Bottom w0.25: MX22.2 120.78,93.27
Net-(D23-A): length 2.7
  Bottom w0.25: MX23.2 139.83,93.27
Net-(D24-A): length 2.7
  Bottom w0.25: MX24.2 158.88,93.27
Net-(D25-A): length 2.7
  Bottom w0.25: MX25.2 177.93,93.27
Net-(D26-A): length 2.7
  Bottom w0.25: MX26.2 196.98,93.27
Net-(D27-A): length 2.7
  Bottom w0.25: MX27.2 216.03,93.27
Net-(D28-A): length 2.7
  Bottom w0.25: MX28.2 235.08,93.27
Net-(D29-A): length 2.7
  Bottom w0.25: MX29.2 254.18,93.27
Net-(D30-A): length 2.7
  Bottom w0.25: MX30.2 273.18,93.27
Net-(D31-A): length 2.6
  Bottom w0.25: MX31.2 301.7,93.31
Net-(D32-A): length 2.7
  Bottom w0.25: MX32.2 335.09,93.27
Net-(D33-A): length 2.7
  Bottom w0.25: MX33.2 354.14,93.27
Net-(D34-A): length 2.7
  Bottom w0.25: MX34.2 373.19,93.27
Net-(D35-A): length 5.5
  Bottom w0.25: MX35.2 20.28,72.03 D35.2
Net-(D36-A): length 5.5
  Bottom w0.25: D36.2 48.85,72.03 MX36.2
Net-(D37-A): length 5.5
  Bottom w0.25: MX37.2 72.66,72.03 D37.2
Net-(D38-A): length 5.5
  Bottom w0.25: MX38.2 91.71,72.03 D38.2
Net-(D39-A): length 5.5
  Bottom w0.25: MX39.2 110.76,72.03 D39.2
Net-(D40-A): length 5.5
  Bottom w0.25: MX40.2 129.81,72.03 D40.2
Net-(D41-A): length 5.5
  Bottom w0.25: D41.2 148.86,72.03 MX41.2
Net-(D42-A): length 5.5
  Bottom w0.25: D42.2 167.92,72.02 MX42.2
Net-(D43-A): length 5.5
  Bottom w0.25: D43.2 186.96,72.03 MX43.2
Net-(D44-A): length 5.5
  Bottom w0.25: D44.2 206.01,72.03 MX44.2
Net-(D45-A): length 5.5
  Bottom w0.25: D45.2 225.06,72.03 MX45.2
Net-(D46-A): length 5.5
  Bottom w0.25: D46.2 244.11,72.03 MX46.2
Net-(D47-A): length 5.5
  Bottom w0.25: MX47.2 263.16,72.03 D47.2
